# Altium PCB Video_Processing_Board.PcbDoc (part 1 of 2)
Units mm, origin at the board's own origin, x right, y up, seen from the top; angles counter-clockwise.
Board outline 40.63 x 59.74 mm, 6 copper layers (L1[SIG], L2[GND], L3[SIG], L4[PWR], L5[GND], L6[SIG]), stack 1.559 mm thick; 262 components, 193 nets, 1505 pads, 0 vias.
Unrouted connection lines stored in the file: 687.
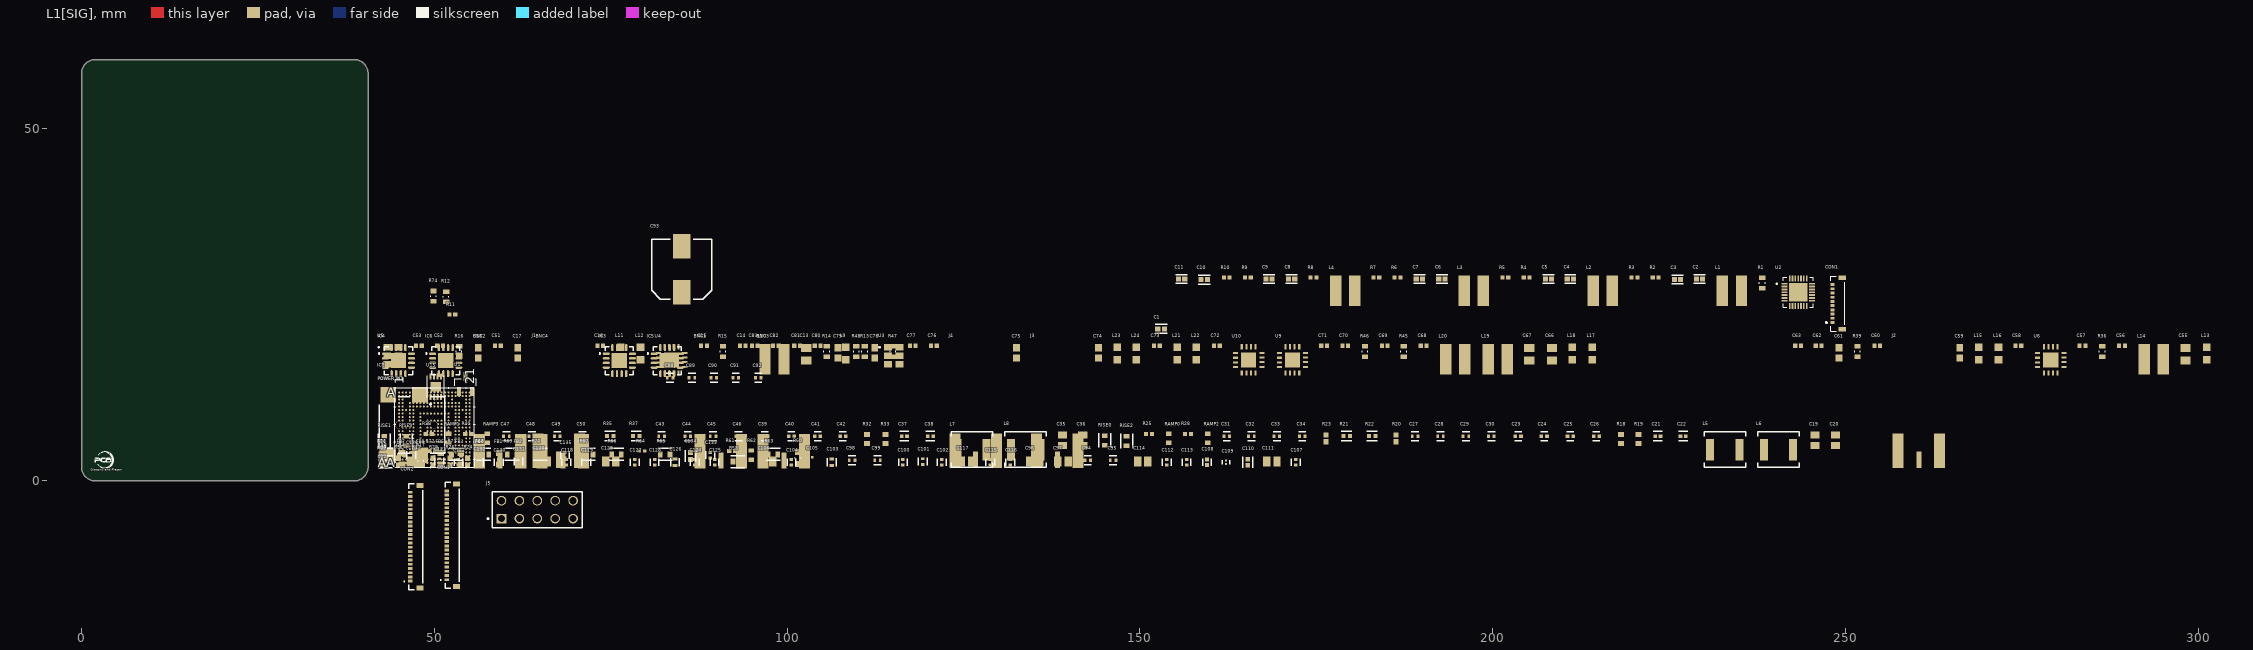
[diagram p0: L1[SIG] view]
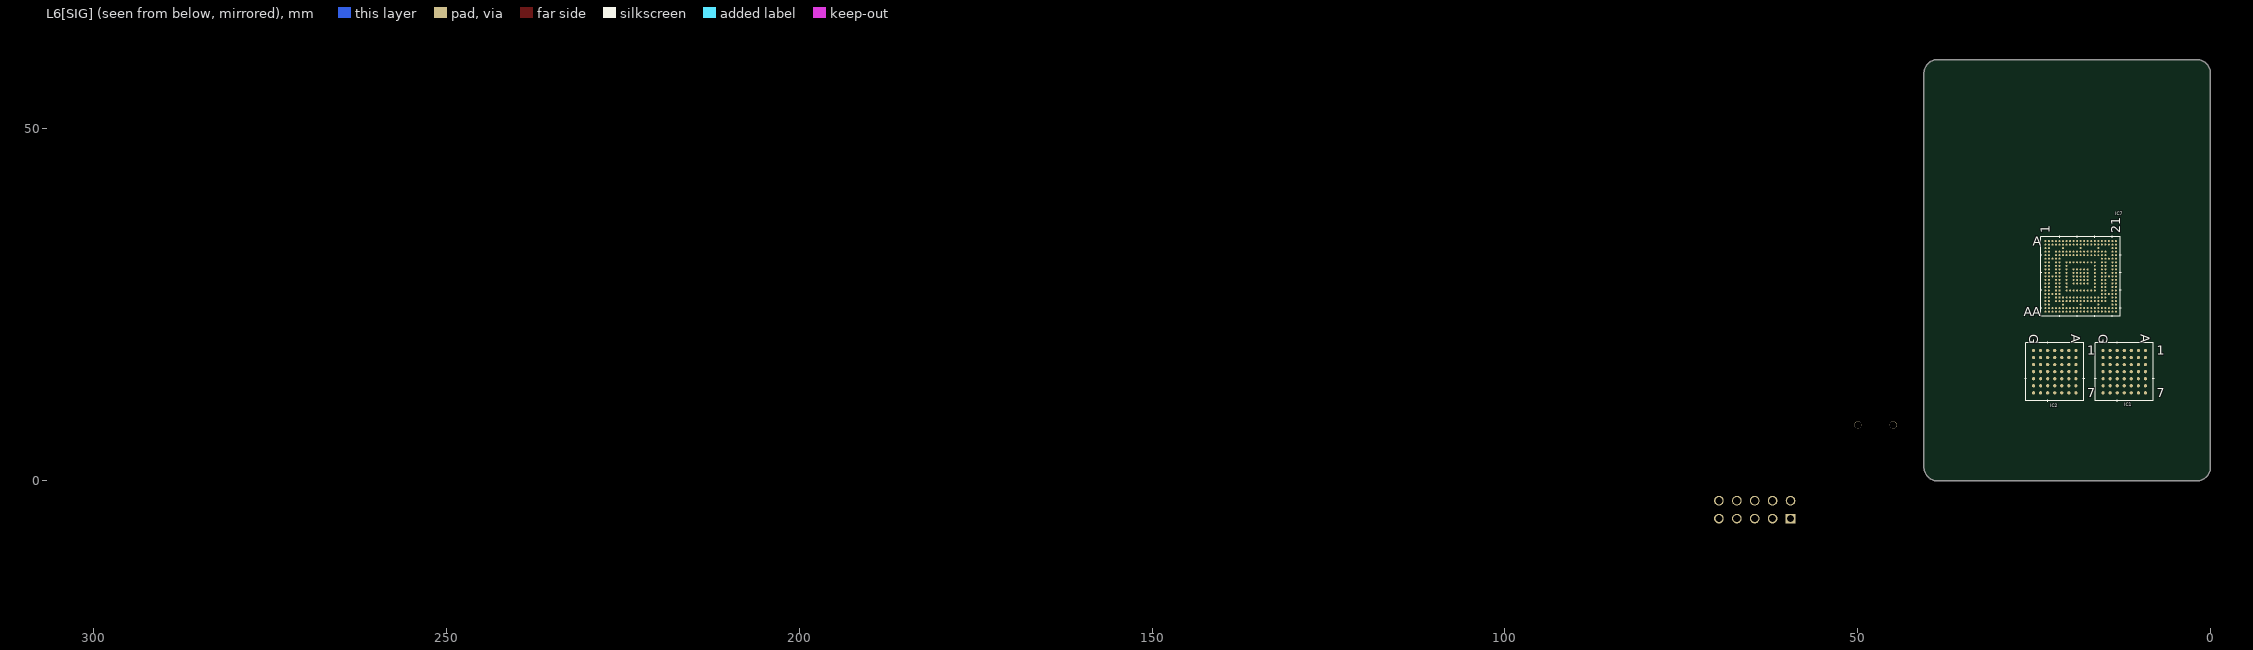
[diagram p1: L6[SIG] view, seen from below]

## Layer stack, top to bottom
Top Solder: solder mask 0.0203, Solder Resist, Dk 3.8
L1[SIG]: signal copper 0.0175
Dielectric 1: prepreg 0.1651, PP-015, Dk 4.7
L2[GND]: signal copper 0.035
Dielectric 2: core 0.3556, Core-024, Dk 4.7
L3[SIG]: signal copper 0.035
Dielectric 3: prepreg 0.3556, PP-017, Dk 4.7
L4[PWR]: signal copper 0.035
Dielectric 4: core 0.3557, Core-024, Dk 4.7
L5[GND]: signal copper 0.035
Dielectric 5: prepreg 0.1524, PP-015, Dk 4.7
L6[SIG]: signal copper 0.0175
Bottom Solder: solder mask 0.0203, Solder Resist, Dk 3.8

## Board outline
0,2 ccw(c2,2) 2,0 38.628,0 ccw(c38.628,2) 40.628,2 40.628,57.737 40.629,57.737 ccw(c38.629,57.737) 38.629,59.737 2,59.737 ccw(c2,57.737) 0,57.737

## Design rules (kind name [scope] priority, off if disabled: settings)
AssemblyTestPointUsage [All] p1 off: valid=2
AssemblyTestpoint [ispad and OnCopper and InComponent('TP*')] p1: testpointundercomponent=TRUE minsize=0.8 maxsize=2.5 preferedsize=1 minholesize=0 maxholesize=0 preferedholesize=0 testpointgrid=2.5 usegrid=FALSE gridoriginx=64 gridoriginy=115 gridtolerance=0.1 allowsidetop=TRUE minspacing=2.5
BoardOutlineClearance [All -InComponent('CON*') -InComponent('MH*')  -InPadClass('MH') -IsText and OnSilkscreen -IsArc and IsKeepOut  -InComponent('LAB4')] p1: gap=0.1 ignorepadtopadclearanceinfootprint=FALSE except(0: Arc-SplitContinuation Track-SplitContinuation SMDPad-SplitContinuation THPad-SplitContinuation Via-SplitContinuation Fill-SplitContinuation Poly-SplitContinuation Region-SplitContinuation Text-SplitContinuation)
Clearance Clearance_BGA [WithinRoom('BGA')] p1: gap=0.07 ignorepadtopadclearanceinfootprint=FALSE
Clearance "Clearance Common" [All] p2: gap=0.08 ignorepadtopadclearanceinfootprint=FALSE except(0.127: THPad-THPad THPad-Via Via-Via; 0.2: Fill-Fill Fill-Poly Fill-Region Poly-Poly Poly-Region Region-Region)
ComponentClearance [All] p1: gap=0.2 collisioncheckmode=3 verticalgap=0.5 showdistances=TRUE
DiffPairsRouting [IsDifferentialPair] p1: maxlimit=0.15 minlimit=0.15 mostfreqgap=0.15 toplayer_minwidth=0.08 toplayer_maxwidth=0.127 toplayer_prefwidth=0.127 midlayer1_minwidth=0.08 midlayer1_maxwidth=0.127 midlayer1_prefwidth=0.127 midlayer2_minwidth=0.08 midlayer2_maxwidth=0.127 midlayer2_prefwidth=0.127 midlayer3_minwidth=0.08 midlayer3_maxwidth=0.127 midlayer3_prefwidth=0.127 midlayer4_minwidth=0.08 midlayer4_maxwidth=0.127 midlayer4_prefwidth=0.127 bottomlayer_minwidth=0.08 bottomlayer_maxwidth=0.127 bottomlayer_prefwidth=0.127 maxuncoupledlength=12.7
FabricationTestPointUsage [All] p1: valid=2 allowmultiple=FALSE
FabricationTestPointUsage TestPointUsage [All] p2: valid=0 allowmultiple=FALSE
FabricationTestpoint [All] p1: side=1 testpointundercomponent=TRUE minsize=0.8 maxsize=2.5 preferedsize=1 minholesize=0 maxholesize=0 preferedholesize=0 testpointgrid=2.5 allowsidetop=TRUE usegrid=FALSE gridoriginx=64 gridoriginy=115 gridtolerance=0.1 minspacing=2.5 compbodyclearance=0.5 boardedgeclearance=0.5
FabricationTestpoint Testpoint [All] p2: side=3 testpointundercomponent=TRUE minsize=1.016 maxsize=2.54 preferedsize=1.524 minholesize=0 maxholesize=1.016 preferedholesize=0.813 testpointgrid=0.025 allowsidetop=TRUE allowsidebottom=TRUE usegrid=TRUE gridtolerance=0
Height [All] p1: minheight=0 maxheight=40 prefheight=1
HoleSize [All] p1: absolutevalues=TRUE maxlimit=15 minlimit=0.2 maxpercent=80.000 minpercent=20.000
HoleToHoleClearance HoleToHoleClearance_VIA [ISVIA vs IsVia] p1: gap=0.254 allowstackedmicrovias=TRUE
HoleToHoleClearance [All] p2: gap=0.5 allowstackedmicrovias=TRUE
MatchedLengths MatchedLengths_LVDS [InDifferentialPairClass('LVDS')] p1: tolerance=7 checknetsindiffpair=FALSE checkdiffpairvsdiffpair=TRUE checkxsignals=TRUE checkothers=TRUE
MatchedLengths MatchedLengths_LVDS_CH [InDifferentialPairClass('LVDS_CH')] p2: tolerance=2 checknetsindiffpair=FALSE checkdiffpairvsdiffpair=TRUE checkxsignals=TRUE checkothers=TRUE
MatchedLengths MatchedLengths_QSPI [InNetClass('QSPI')] p3: tolerance=5 checknetsindiffpair=FALSE checkdiffpairvsdiffpair=TRUE checkxsignals=TRUE checkothers=TRUE
MatchedLengths MatchedLengths_DRAM0 [InNetClass('DRAM0')] p4: tolerance=5 checknetsindiffpair=FALSE checkdiffpairvsdiffpair=TRUE checkxsignals=TRUE checkothers=TRUE
MatchedLengths MatchedLengths_DRAM1 [InNetClass('DRAM1')] p5: tolerance=5 checknetsindiffpair=FALSE checkdiffpairvsdiffpair=TRUE checkxsignals=TRUE checkothers=TRUE
MinimumAnnularRing [All] p1: minimumring=0.1
MinimumSolderMaskSliver [All] p1: minsoldermaskwidth=0
PlaneClearance [All] p1: clearance=0.5
PlaneConnect [OnLayer('ComponentLayers')] p1: planeconnectstyle=Direct reliefexpansion=0.508 reliefentries=4 reliefconductorwidth=0.254 reliefairgap=0.254
PolygonConnect Burried [InPadClass('Burried')] p1: connectstyle=Direct reliefconductorwidth=0.254 reliefentries=4 polygonreliefangle="90 Angle" airgapwidth=0.254
PolygonConnect PolygonConnect_SMT [IsPolygon vs IsSMTPin And IsComponentPad] p2: thpad.connectstyle=NoConnect thpad.reliefconductorwidth=0.5 thpad.reliefentries=4 thpad.polygonreliefangle="90 Angle" thpad.airgapwidth=0.25 smdpad.connectstyle=Relief smdpad.reliefconductorwidth=0.25 smdpad.reliefentries=4 smdpad.polygonreliefangle="90 Angle" smdpad.airgapwidth=0.25 via.connectstyle=Relief via.reliefconductorwidth=0.25 via.reliefentries=4 via.polygonreliefangle="90 Angle" via.airgapwidth=0.25
PolygonConnect "Vias in Planes" [IsVia] p3: connectstyle=Direct reliefconductorwidth=0.254 reliefentries=4 polygonreliefangle="90 Angle" airgapwidth=0.254
PolygonConnect "Pads in Planes" [IsPad] p4: connectstyle=Direct reliefconductorwidth=0.254 reliefentries=4 polygonreliefangle="90 Angle" airgapwidth=0.254
PolygonConnect [IsPolygon vs IsComponentPad] p5: connectstyle=Relief reliefconductorwidth=0.8 reliefentries=4 polygonreliefangle="45 Angle" airgapwidth=0.3
RoutingVias [All] p1: holewidth=0.2 width=0.45 viastyle="Through Hole" minholewidth=0.2 minwidth=0.45 maxholewidth=0.2 maxwidth=0.45
SilkToSilkClearance [All] p1 off: silktosilkclearance=0.25
SilkToSolderMaskClearance "Silkscreen to Copper" [IsPad] p1 off: minsilkscreentomaskgap=0.2 clearancetoexposedcopper=TRUE
SilkToSolderMaskClearance "Silkscreen to Soldermask" [IsPad] p2 off: minsilkscreentomaskgap=0.1 clearancetoexposedcopper=FALSE
SilkToSolderMaskClearance SilkscreenOverComponentPads [IsPad] p3: minsilkscreentomaskgap=0.254 clearancetoexposedcopper=TRUE
SolderMaskExpansion Pads [IsSMTPin or IsThruPin] p1: expansion=0.1 istentingtop=FALSE
SolderMaskExpansion Vias [IsVia] p2: expansion=0.1 istentingtop=FALSE
SolderMaskExpansion [All] p3: expansion=0.102 istentingtop=FALSE
ViasUnderSMD [InComponentClass('Power Parts') And InNet('B+') And IsStitchingVia] p1: allowed=TRUE
Width Width_BGA [WithinRoom('BGA')] p1: maxlimit=1 minlimit=0.07 preferedwidth=0.07
Width [InNetClass('All Nets')] p2: maxlimit=2 minlimit=0.07 preferedwidth=0.27
16 further rules are at their usual default settings.

## Classes and differential pairs
component class "JTAG & Reset Connection": C133 C134 C135 C136 J5 R60 R61 R62 R63 R64 R65 R66 R67 R68 R69 R70 R71 R72 R73 U1 U15
component class "Power and Decoupling Capacitors": C88 C89 C90 C91 C92 C93 C94 C95 C96 C97 C98 C99 C100 C101 C102 C103 C104 C105 C106 C107 C108 C109 C110 C111 C112 C113 C114 C115 C116 C117 C118 C119 C120 C121 C122 C123 C124 C125 C126 C127 C128 C129 C130 C131 C132 IC8 R58 R59
component class "Output Transceivers": C12 C13 C14 C15 C16 C17 C18 C51 C52 C53 C54 C55 C56 C57 C58 C59 C60 C61 C62 C63 C66 C67 C68 C69 C70 C71 C72 C73 C74 C75 C76 C77 C78 C79 C80 C81 C82 C83 J1 J2 J3 J4 L9 L10 L11 L12 L13 L14 L15 L16 L17 L18 L19 L20 L21 L22 L23 L24 "POWER IN1" R13 R14 R15 R16 R17 R34 R36 R39 R45 R46 R47 R48 U3 U4 U5 U6 U9 U10
component class "Input Transceivers": BNC1 BNC2 BNC3 BNC4 C19 C20 C21 C22 C23 C24 C25 C26 C27 C28 C29 C30 C31 C32 C33 C34 C35 C36 C37 C38 C39 C40 C41 C42 C43 C44 C45 C46 C47 C48 C49 C50 FB1 FB2 FB3 FB4 FB5 FB6 FB7 FB8 IC3 IC4 IC5 IC6 L5 L6 L7 L8 "POWER IN1" R18 R19 R20 R21 R22 R23 R24 R25 R26 R27 R28 R29 R30 R31 R32 R33 R35 R37 R38 R40 RAMP0 RAMP1 RAMP2 RAMP3 RAMP4 RISE0 RISE1 RISE2 RISE3
component class Connector: CON2 CON3
net class DRAM1: DRAM1_CK_N DRAM1_CK_P DRAM1_DQ0 DRAM1_DQ1 DRAM1_DQ2 DRAM1_DQ3 DRAM1_DQ4 DRAM1_DQ5 DRAM1_DQ6 DRAM1_DQ7 DRAM1_DQ8 DRAM1_DQ9 DRAM1_DQ10 DRAM1_DQ11 DRAM1_DQ12 DRAM1_DQ13 DRAM1_DQ14 DRAM1_DQ15 DRAM1_RWDS0 DRAM1_RWDS1
net class DRAM0: DRAM0_CK_N DRAM0_CK_P DRAM0_DQ0 DRAM0_DQ1 DRAM0_DQ2 DRAM0_DQ3 DRAM0_DQ4 DRAM0_DQ5 DRAM0_DQ6 DRAM0_DQ7 DRAM0_DQ8 DRAM0_DQ9 DRAM0_DQ10 DRAM0_DQ11 DRAM0_DQ12 DRAM0_DQ13 DRAM0_DQ14 DRAM0_DQ15 DRAM0_RWDS0 DRAM0_RWDS1
component class DRAM+BANK1: IC1 IC2 IC7 R12 R74
component class PMIC: C1 C2 C3 C4 C5 C6 C7 C8 C9 C10 C11 CON1 L1 L2 L3 L4 R1 R2 R3 R4 R5 R6 R7 R8 R9 R10 R11 U2
differential pair DRAM1_CK: +DRAM1_CK_P -DRAM1_CK_N
differential pair DRAM0_CK: +DRAM0_CK_P -DRAM0_CK_N

## Components (designator, comment, footprint, x,y, rotation, side; value= is the part's Value field where it differs from the comment)
BNC1 "Amphenol_BNC_HD_034_1018" "PCBComponent_1 - duplicate" 90.627,3.552 r0 top
BNC2 "Amphenol_BNC_HD_034_1018" "PCBComponent_1 - duplicate" 59.327,3.552 r0 top
BNC3 "Amphenol_BNC_HD_034_1018" "PCBComponent_1 - duplicate" 99.527,3.552 r0 top
BNC4 "Amphenol_BNC_HD_034_1018" "PCBComponent_1 - duplicate" 68.227,3.552 r0 top
C1 "EMK105BJ105KV-F" FP-0402-L_1_0_0_05-W_0_5-IPC_A#1 153.027,21.552 r0 top
C2 "GRM155R60J106ME44D" FP-GRM155-0_2-IPC_B 229.327,28.652 r0 top
C3 "GRM155R60J106ME44D" FP-GRM155-0_2-IPC_B 226.227,28.552 r0 top
C4 "GRM155R60J106ME44D" FP-GRM155-0_2-IPC_B 211.027,28.652 r0 top
C5 "GRM155R60J106ME44D" FP-GRM155-0_2-IPC_B 207.927,28.652 r0 top
C6 "GRM155R60J106ME44D" FP-GRM155-0_2-IPC_B 192.827,28.652 r0 top
C7 "GRM155R60J106ME44D" FP-GRM155-0_2-IPC_B 189.627,28.652 r0 top
C8 "GRM155R60J106ME44D" FP-GRM155-0_2-IPC_B 171.527,28.652 r0 top
C9 "GRM155R60J106ME44D" FP-GRM155-0_2-IPC_B 168.327,28.652 r0 top
C10 "EMK105BJ105KV-F" FP-0402-L_1_0_0_05-W_0_5-IPC_A#1 159.127,28.552 r0 top
C11 "GRM155R60J106ME44D" FP-GRM155-0_2-IPC_B 155.927,28.652 r0 top
C12 "10nF" 0402 42.827,2.052 r0 top
C13 "1uF" 0805 102.727,17.952 r90 top
C14 "10nF" 0402 93.727,19.152 r0 top
C15 "10nF" 0402 88.227,19.152 r0 top
C16 "10nF" 0402 73.527,19.152 r0 top
C17 "33nF" 0603 61.827,18.152 r90 top
C18 "33nF" 0603 56.227,18.152 r90 top
C19 "1u" CAPC2013X135X45LL10T25 245.726,5.752 r90 top
C20 "1u" CAPC2013X135X45LL10T25 248.626,5.752 r90 top
C21 "10nF" FP-CL165-IPC_C 223.426,6.352 r0 top
C22 "10nF" FP-CL165-IPC_C 227.026,6.352 r0 top
C23 "100nF" FP-C0402-BB-MFG 203.627,6.352 r0 top value="0.10 μF"
C24 "100nF" FP-C0402-BB-MFG 207.327,6.352 r0 top value="0.10 μF"
C25 "100nF" FP-C0402-BB-MFG 211.026,6.352 r0 top value="0.10 μF"
C26 "100nF" FP-C0402-BB-MFG 214.726,6.352 r0 top value="0.10 μF"
C27 "100nF" FP-GRM15-MFG 189.027,6.352 r0 top value=0.10μF
C28 "100nF" FP-GRM15-MFG 192.627,6.352 r0 top value=0.10μF
C29 "100nF" FP-GRM15-MFG 196.227,6.352 r0 top value=0.10μF
C30 "100nF" FP-GRM15-MFG 199.827,6.352 r0 top value=0.10μF
C31 "100nF" FP-GRM15-MFG 162.327,6.352 r0 top value=0.10μF
C32 "100nF" FP-GRM15-MFG 165.827,6.352 r0 top value=0.10μF
C33 "100nF" FP-GRM15-MFG 169.427,6.352 r0 top value=0.10μF
C34 "100nF" FP-GRM15-MFG 173.027,6.352 r0 top value=0.10μF
C35 "1u" CAPC2013X135X45LL10T25 139.027,5.752 r90 top
C36 "1u" CAPC2013X135X45LL10T25 141.927,5.752 r90 top
C37 "10nF" FP-CL165-IPC_C 116.627,6.352 r0 top
C38 "10nF" FP-CL165-IPC_C 120.327,6.352 r0 top
C39 "100nF" FP-C0402-BB-MFG 96.827,6.352 r0 top value="0.10 μF"
C40 "100nF" FP-C0402-BB-MFG 100.627,6.352 r0 top value="0.10 μF"
C41 "100nF" FP-C0402-BB-MFG 104.327,6.352 r0 top value="0.10 μF"
C42 "100nF" FP-C0402-BB-MFG 107.927,6.352 r0 top value="0.10 μF"
C43 "100nF" FP-GRM15-MFG 82.227,6.352 r0 top value=0.10μF
C44 "100nF" FP-GRM15-MFG 85.927,6.352 r0 top value=0.10μF
C45 "100nF" FP-GRM15-MFG 89.527,6.352 r0 top value=0.10μF
C46 "100nF" FP-GRM15-MFG 93.127,6.352 r0 top value=0.10μF
C47 "100nF" FP-GRM15-MFG 60.227,6.352 r0 top value=0.10μF
C48 "100nF" FP-GRM15-MFG 63.827,6.352 r0 top value=0.10μF
C49 "100nF" FP-GRM15-MFG 67.427,6.352 r0 top value=0.10μF
C50 "100nF" FP-GRM15-MFG 71.027,6.352 r0 top value=0.10μF
C51 "100nF" 0402 59.027,19.152 r0 top
C52 "100nF" 0402 50.827,19.152 r0 top
C53 "10nF" 0402 47.827,19.152 r0 top
C54 "10nF" 0402 45.427,3.652 r0 top
C55 "1uF" 0805 298.226,17.952 r90 top
C56 "10nF" 0402 289.226,19.152 r0 top
C57 "10nF" 0402 283.626,19.152 r0 top
C58 "10nF" 0402 274.526,19.152 r0 top
C59 "33nF" 0603 266.226,18.152 r90 top
C60 "100nF" 0402 254.526,19.152 r0 top
C61 "33nF" 0603 249.126,18.152 r90 top
C62 "100nF" 0402 246.226,19.152 r0 top
C63 "10nF" 0402 243.326,19.152 r0 top
C66 "1uF" 0805 208.427,17.952 r90 top
C67 "1uF" 0805 205.227,17.952 r90 top
C68 "10nF" 0402 190.227,19.152 r0 top
C69 "10nF" 0402 184.727,19.152 r0 top
C70 "10nF" 0402 179.127,19.152 r0 top
C71 "10nF" 0402 176.127,19.152 r0 top
C72 "10nF" 0402 160.927,19.152 r0 top
C73 "10nF" 0402 152.427,19.152 r0 top
C74 "33nF" 0603 144.127,18.152 r90 top
C75 "33nF" 0603 132.527,18.152 r90 top
C76 "100nF" 0402 120.827,19.152 r0 top
C77 "100nF" 0402 117.827,19.152 r0 top
C78 "33nF" 0603 112.427,18.152 r90 top
C79 "33nF" 0603 107.227,18.152 r90 top
C80 "100nF" 0402 104.327,19.152 r0 top
C81 "100nF" 0402 101.427,19.152 r0 top
C82 "10nF" 0402 98.427,19.152 r0 top
C83 "10nF" 0402 95.427,19.152 r0 top
C88 "0.1uF/16V" FP-GRM15-MFG 83.427,14.652 r0 top value=0.10μF
C89 "0.1uF/16V" FP-GRM15-MFG 86.527,14.652 r0 top value=0.10μF
C90 "0.1uF/16V" FP-GRM15-MFG 89.627,14.652 r0 top value=0.10μF
C91 "0.1uF/16V" FP-GRM15-MFG 92.727,14.652 r0 top value=0.10μF
C92 "0.1uF/16V" FP-GRM15-MFG 95.927,14.652 r0 top value=0.10μF
C93 "330uF/10V" NIC-CAPA2-8X10_V 85.065,30 r90 top
C94 "0.1uF/16V" FP-GRM15-MFG 142.627,2.952 r0 top value=0.10μF
C95 "0.1uF/16V" FP-GRM15-MFG 146.227,2.952 r0 top value=0.10μF
C96 "47uF/10V" CAPC2014X135X70LL20 135.127,2.752 r0 top
C97 "47uF/10V" CAPC2014X135X70LL20 139.127,2.752 r0 top
C98 "0.1uF/16V" FP-GRM15-MFG 109.227,2.952 r0 top value=0.10μF
C99 "0.1uF/16V" FP-GRM15-MFG 112.827,2.952 r0 top value=0.10μF
C100 "0.1uF/16V" FP-GRM15-MFG 116.427,2.652 r90 top value=0.10μF
C101 "0.1uF/16V" FP-GRM15-MFG 119.227,2.752 r90 top value=0.10μF
C102 "0.1uF/16V" FP-GRM15-MFG 121.927,2.652 r90 top value=0.10μF
C103 "10uF/10V" FP-CL05A106MP5NUNC-MFG 106.327,2.652 r90 top value=10uF
C104 "0.1uF/16V" FP-GRM15-MFG 100.627,2.652 r90 top value=0.10μF
C105 "1000pF/16V" CAPC0603X33X15LL03T05 103.327,3.352 r0 top
C106 "47uF/10V" CAPC2014X135X70LL20 97.227,2.752 r0 top
C107 "0.1uF/16V" FP-GRM15-MFG 172.127,2.652 r90 top value=0.10μF
C108 "2200pF/10V" FP-C0402-BB-MFG 159.527,2.652 r90 top value="2,200 pF"
C109 "4.7nF/16V" FP-CC0201-BA-MFG 162.227,2.652 r90 top value="4.7 nF"
C110 "10nF" FP-0402-L_1_0_1-W_0_5_0_1-IPC_B 165.327,2.652 r90 top
C111 "47uF/10V" CAPC2014X135X70LL20 168.727,2.752 r0 top
C112 "0.1uF/16V" FP-GRM15-MFG 153.827,2.652 r90 top value=0.10μF
C113 "0.1uF/16V" FP-GRM15-MFG 156.627,2.652 r90 top value=0.10μF
C114 "47uF/10V" CAPC2014X135X70LL20 150.427,2.752 r0 top
C115 "0.1uF/16V" FP-GRM15-MFG 128.827,2.652 r90 top value=0.10μF
C116 "0.1uF/16V" FP-GRM15-MFG 131.627,2.652 r90 top value=0.10μF
C117 "47uF/10V" CAPC2014X135X70LL20 125.427,2.752 r0 top
C118 "0.1uF/16V" FP-GRM15-MFG 68.727,2.652 r90 top value=0.10μF
C119 "0.1uF/16V" FP-GRM15-MFG 71.527,2.652 r90 top value=0.10μF
C120 "47uF/10V" CAPC2014X135X70LL20 65.327,2.752 r0 top
C121 "0.1uF/16V" FP-GRM15-MFG 50.727,2.752 r90 top value=0.10μF
C122 "0.1uF/16V" FP-GRM15-MFG 53.427,2.652 r90 top value=0.10μF
C123 "47uF/10V" CAPC2014X135X70LL20 47.327,2.752 r0 top
C124 "0.1uF/16V" FP-GRM15-MFG 86.927,2.652 r90 top value=0.10μF
C125 "0.1uF/16V" FP-GRM15-MFG 89.727,2.652 r90 top value=0.10μF
C126 "10uF/10V" FP-CL05A106MP5NUNC-MFG 84.127,2.652 r90 top value=10uF
C127 "0.1uF/16V" FP-GRM15-MFG 78.427,2.652 r90 top value=0.10μF
C128 "0.1uF/16V" FP-GRM15-MFG 81.227,2.652 r90 top value=0.10μF
C129 "47uF/10V" CAPC2014X135X70LL20 75.027,2.752 r0 top
C130 "0.1uF/16V" FP-GRM15-MFG 59.127,2.652 r90 top value=0.10μF
C131 "0.1uF/16V" FP-GRM15-MFG 61.927,2.752 r90 top value=0.10μF
C132 "10uF/10V" FP-CL05A106MP5NUNC-MFG 56.327,2.652 r90 top value=10uF
C133 "0.1uF/16V" FP-GRM15-MFG 89.127,3.652 r90 top value=0.10μF
C134 "1uF/16V" FP-0402-L_1_0_0_05-W_0_5-IPC_A#2 86.327,3.552 r90 top
C135 "0.1uF/16V" FP-GRM15-MFG 68.527,3.652 r90 top value=0.10μF
C136 "0.1uF/16V" FP-GRM15-MFG 46.727,3.652 r90 top value=0.10μF
CON1 "SM10B-XSRS-ETB(LF)(SN)" SM10B-XSRS-ETB 248.927,25.152 r90 top
CON2 "SM22B-XSRS-ETB" SM22B-XSRS-ETB 47.35,-7.9 r90 top
CON3 "SM22B-XSRS-ETB" SM22B-XSRS-ETB 52.527,-7.7 r90 top
FB1 "FBMH1608HM102-T" FBMH1608HM102-T 59.227,3.152 r90 top
FB2 "FBMH1608HM102-T" FBMH1608HM102-T 62.027,3.152 r90 top
FB3 "FBMH1608HM102-T" FBMH1608HM102-T 53.727,3.152 r90 top
FB4 "FBMH1608HM102-T" FBMH1608HM102-T 56.527,3.152 r90 top
FB5 "FBMH1608HM102-T" FBMH1608HM102-T 50.927,3.152 r90 top
FB6 "FBMH1608HM102-T" FBMH1608HM102-T 42.727,3.152 r90 top
FB7 "FBMH1608HM102-T" FBMH1608HM102-T 45.427,3.152 r90 top
FB8 "FBMH1608HM102-T" FBMH1608HM102-T 48.227,3.152 r90 top
IC1 "S80KS2564" S80KS2564 12.221,15.492 r270 bottom
IC2 "S80KS2564" S80KS2564 22.079,15.492 r270 bottom
IC3 "EQCO125X40" EQCO125X40 76.227,17.052 r0 top
IC4 "EQCO125X40" EQCO125X40 44.927,17.052 r0 top
IC5 "EQCO125X40" EQCO125X40 83.027,17.052 r0 top
IC6 "EQCO125X40" EQCO125X40 51.627,17.052 r0 top
IC7 "MPF100T-1FCSG325I" MPF100T-1FCSG325I 18.4,29 r180 bottom
IC8 "MPF100T-1FCSG325I" MPF100T-1FCSG325I 50.027,7.552 r0 top
J1 "" "PCBComponent_1 - duplicate" 67.627,3.652 r0 top
J2 "" "PCBComponent_1 - duplicate" 260.426,3.652 r0 top
J3 "" "PCBComponent_1 - duplicate" 138.327,3.652 r0 top
J4 "" "PCBComponent_1 - duplicate" 126.727,3.652 r0 top
J5 "TSW-105-08-G-D" TSW-105-08-G-D 59.522,-5.34 r0 top
L1 "744031001" WE-TPC-3816-S 233.927,26.952 r0 top
L2 "744031001" WE-TPC-3816-S 215.627,26.952 r0 top
L3 "744031001" WE-TPC-3816-S 197.327,26.952 r0 top
L4 "744031001" WE-TPC-3816-S 179.127,26.952 r0 top
L5 "10uH" FP-1812PS-MFG 232.926,4.452 r0 top
L6 "10uH" FP-1812PS-MFG 240.526,4.452 r0 top
L7 "10uH" FP-1812PS-MFG 126.227,4.452 r0 top
L8 "10uH" FP-1812PS-MFG 133.827,4.452 r0 top
L9 "742792651" SMD-0603 108.327,18.052 r90 top
L10 "744031001" WE-TPC-3816-S 98.227,17.252 r0 top
L11 "742792662" SMD-0603 76.427,18.052 r90 top
L12 "742792662" SMD-0603 79.227,18.052 r90 top
L13 "742792651" SMD-0603 301.226,18.052 r90 top
L14 "744031001" WE-TPC-3816-S 293.726,17.252 r0 top
L15 "742792662" SMD-0603 268.926,18.052 r90 top
L16 "742792662" SMD-0603 271.726,18.052 r90 top
L17 "742792651" SMD-0603 214.126,18.052 r90 top
L18 "742792651" SMD-0603 211.326,18.052 r90 top
L19 "744031001" WE-TPC-3816-S 200.727,17.252 r0 top
L20 "744031001" WE-TPC-3816-S 194.727,17.252 r0 top
L21 "742792662" SMD-0603 155.327,18.052 r90 top
L22 "742792662" SMD-0603 158.027,18.052 r90 top
L23 "742792662" SMD-0603 146.827,18.052 r90 top
L24 "742792662" SMD-0603 149.527,18.052 r90 top
"POWER IN1" "694102107102" 694102107102 46.827,7.952 r90 top
"POWER IN1" "24V IN" 694102107102 46.827,7.952 r90 top
R1 "ERA3AEB104V" RESC1608X55X30ML20T20 238.227,28.052 r90 top value=100k
R2 "RC0402FR-0735K7L" RESC1005X40X25NL05T10#1 223.127,28.852 r0 top
R3 "RC0402FR-0711K5L" RESC1005X40X25NL05T10#1 220.127,28.852 r0 top
R4 "RC0402FR-074K99L" RESC1005X40X25NL05T10#1 204.827,28.852 r0 top
R5 "RC0402FR-0720KL" RESC1005X40X25NL05T10#1 201.827,28.852 r0 top
R6 "RC0402FR-0710KL" RESC1005X40X25NL05T10#1 186.527,28.852 r0 top
R7 "RC0402FR-0720KL" RESC1005X40X25NL05T10#1 183.527,28.852 r0 top
R8 "RN73H1ETTP1452F25" RESC1005X40N 174.627,28.852 r0 top
R9 "RC0402FR-0711K5L" RESC1005X40X25NL05T10#1 165.327,28.852 r0 top
R10 "RC0402FR-0724K3L" RESC1005X40X25NL05T10#1 162.327,28.852 r0 top
R11 "RC0402FR-0711K5L" RESC1005X40X25NL05T10#1 52.57,23.6 r0 top
R12 "100 Ohm" RESC1608X55X30LL15T15#1 51.677,26.1 r270 top
R13 "100 Ohm" 3-0603 111.027,18.352 r90 top
R14 "100 Ohm" 3-0603 105.627,18.352 r90 top
R15 "1K" 3-0603 90.927,18.352 r90 top
R16 "75 Ohm" 3-0603 53.527,18.352 r90 top
R17 "100 Ohm" 3-0603 48.127,2.852 r90 top
R18 "1K" RESC1608X55X30LL15T15#2 218.226,5.952 r90 top
R19 "1K" RESC1608X55X30LL15T15#2 220.726,5.952 r90 top
R20 "15R" RESC1005X40X25ML10T10 186.327,6.052 r90 top
R21 "75R" FP-ERJ2RK-IPC_B 179.327,6.352 r0 top
R22 "75R" FP-ERJ2RK-IPC_B 182.927,6.352 r0 top
R23 "15R" RESC1005X40X25ML10T10 176.427,6.052 r90 top
R24 "15R" RESC1005X40X25ML10T10 54.727,2.752 r90 top
R25 "0R" RESC1005X40X25NL05T10#2 151.327,6.652 r0 top
R26 "15R" RESC1005X40X25ML10T10 52.227,2.752 r90 top
R27 "15R" RESC1005X40X25ML10T10 47.427,2.752 r90 top
R28 "0R" RESC1005X40X25NL05T10#2 156.827,6.652 r0 top
R29 "15R" RESC1005X40X25ML10T10 49.827,2.752 r90 top
R30 "15R" RESC1005X40X25ML10T10 42.527,2.752 r90 top
R31 "15R" RESC1005X40X25ML10T10 44.927,2.752 r90 top
R32 "1K" RESC1608X55X30LL15T15#2 111.327,5.952 r90 top
R33 "1K" RESC1608X55X30LL15T15#2 113.927,5.952 r90 top
R34 "100 Ohm" 3-0603 42.627,2.852 r90 top
R35 "75R" FP-ERJ2RK-IPC_B 74.927,6.352 r0 top
R36 "1K" 3-0603 286.426,18.352 r90 top
R37 "75R" FP-ERJ2RK-IPC_B 78.627,6.352 r0 top
R38 "0R" RESC1005X40X25NL05T10#2 49.227,6.652 r0 top
R39 "75 Ohm" 3-0603 251.726,18.352 r90 top
R40 "0R" RESC1005X40X25NL05T10#2 54.827,6.652 r0 top
R45 "1K" 3-0603 187.427,18.352 r90 top
R46 "1K" 3-0603 181.927,18.352 r90 top
R47 "75 Ohm" 3-0603 115.027,18.352 r90 top
R48 "75 Ohm" 3-0603 109.827,18.352 r90 top
R58 "10K/1%" FP-RC0603-0_55-IPC_C 93.027,2.752 r0 top
R59 "10K/1%" FP-RC0603-0_55-IPC_C 43.127,2.752 r0 top
R60 "100K" FP-RC0603-0_55-MFG 101.527,3.252 r90 top
R61 "0R" RESC1005X40X25NL05T10#2 92.227,4.252 r0 top
R62 "4.7K" RESC1608X55X25LL10T15 94.927,3.652 r90 top
R63 "1K" FP-RC0603-0_55-IPC_C 98.027,3.752 r0 top
R64 "22R" RESC1005X40X25LL05T10 79.427,4.252 r0 top
R65 "10K" FP-RC0603-0_55-IPC_C 82.727,3.752 r0 top
R66 "10K" FP-RC0603-0_55-IPC_C 75.827,3.752 r0 top
R67 "1K" FP-RC0603-0_55-IPC_C 71.827,3.752 r0 top
R68 "10K" FP-RC0603-0_55-IPC_C 57.027,3.752 r0 top
R69 "10K" FP-RC0603-0_55-IPC_C 61.027,3.752 r0 top
R70 "10K" FP-RC0603-0_55-IPC_C 65.027,3.752 r0 top
R71 "1K" FP-RC0603-0_55-IPC_C 53.127,3.752 r0 top
R72 "0R" RESC1005X40X25NL05T10#2 49.727,4.252 r0 top
R73 "1K" FP-RC0603-0_55-IPC_C 43.127,3.752 r0 top
R74 "100 Ohm" RESC1608X55X30LL15T15#1 49.897,26.198 r270 top
RAMP0 "1K2" RESC1608X55X25LL10T15 154.127,6.052 r90 top
RAMP1 "1K2" RESC1608X55X25LL10T15 52.027,6.052 r90 top
RAMP2 "1K2" RESC1608X55X25LL10T15 159.627,6.052 r90 top
RAMP3 "1K2" RESC1608X55X25LL10T15 57.527,6.052 r90 top
RISE0 "10K" FP-RC0603-0_55-IPC_C 145.027,5.752 r90 top
RISE1 "10K" FP-RC0603-0_55-IPC_C 42.927,5.652 r90 top
RISE2 "10K" FP-RC0603-0_55-IPC_C 148.127,5.652 r90 top
RISE3 "10K" FP-RC0603-0_55-IPC_C 46.027,5.652 r90 top
U1 "MCP121T-315E/TT" MCP121T-315E/TT 54.427,13.752 r0 top
U2 "ADP5138ACPZ" CP_28_5 243.327,26.752 r0 top
U3 "AK3ADDF1-212.500T3" AX3DAF1-148.5000T 115.127,17.752 r0 top
U4 "EQCO62T20" PCBComponent_1_2 83.627,17.152 r0 top
U5 "AK3ADDF1-212.500T3" AX3DAF1-148.5000T 44.127,17.752 r0 top
U6 "EQCO62T20" PCBComponent_1_2 279.126,17.152 r0 top
U9 "EQCO62T20" PCBComponent_1_2 171.627,17.152 r0 top
U10 "EQCO62T20" PCBComponent_1_2 165.427,17.152 r0 top
U15 "SST25PF040CT-40I/NP" SST25PF040CT-40I/NP 50.227,13.352 r90 top

## Footprints (in the part's own frame and the unit in brackets; to place one, negate y for a bottom-side part, rotate by r counter-clockwise, add the part's x,y. Pads: shape width x height; smd on the part's side, far side on the other; paste and mask are expansions set on the pad)
3-0603 [mm] "Chip Resistor; Body 1.6 x 0.9 mm (LxW typ)"
  rrect1% 0.65x0.9 smd: 1(-0.725,0) 2(0.725,0)
  silkscreen extent -0.08,-0.4 0.08,0.4, body extent -0.8,-0.4 0.8,0.4, height 0.45
0402 [mm] "Chip Capacitor; Body 1.0 x 0.5 mm (LxW typ)"
  rrect1% 0.59x0.6 smd mask+0.05: 1(-0.407,0) 2(0.407,0)
  body extent -0.5,-0.28 0.5,0.27, height 0.5
0603 [mm] "Chip Capacitor; Body 1.6 x 0.8 mm (LxW typ)"
  rrect1% 1.04x0.97 smd: 1(-0.726,0) 2(0.726,0)
  body extent -0.8,-0.44 0.8,0.44, height 0.8
0805 [mm] "Chip Capacitor; Body 2.0 x 1.2 mm (LxW typ)"
  rrect1% 1.16x1.47 smd: 1(-0.875,0) 2(0.875,0)
  body extent -1.02,-0.7 1.02,0.7, height 1.29
694102107102 [mm] "DC Power Jack Right Angled Low Profile SMT ?3.9 with 4 soldering pads & pegs"
  rect 2.2x2.2 smd: 1(-4.3,-1.15) 1(-4.3,3.35) 2(4.3,-1.15) 3(4.3,3.35)
  round 1 hole 1 unplated: MH1(0,1.85) MH2(0,-3.15)
  silkscreen extent -4,-4.65 4,4.65, body extent -4.9,-4.65 4.9,4.65, height 5.32
AX3DAF1-148.5000T [mm]
  rrect1% 1.1x0.9 smd: 1(-0.8,1.2) 2(-0.8,0) 3(-0.8,-1.2) 4(0.8,-1.2) 5(0.8,0) 6(0.8,1.2)
  silkscreen extent -2.1,1.1 -1.9,1.3, body extent -1.25,-1.6 1.25,1.6, height 1
CAPC0603X33X15LL03T05 [mm] "Chip Capacitor, 2-Leads, Body 0.60x0.30mm, IPC High Density"
  rect 0.36x0.32 smd: 1(-0.28,0) 2(0.28,0)
  body extent -0.32,-0.17 0.32,0.17, height 0.33
CAPC2013X135X45LL10T25 [mm] "Chip Capacitor, 2-Leads, Body 2.00x1.25mm, IPC High Density"
  rect 1x1.3 smd: 1(-0.75,0) 2(0.75,0)
  body extent -1.05,-0.67 1.05,0.68, height 1.35
CAPC2014X135X70LL20 [mm] "Chip Capacitor, 2-Leads, Body 2.00x1.35mm, IPC High Density"
  rect 1.05x1.45 smd: 1(-0.725,0) 2(0.725,0)
  body extent -1.1,-0.77 1.1,0.77, height 1.35
CP_28_5 [mm]
  rrect1% 0.855x0.25 smd mask+0.05: 1(-1.927,1.2) 2(-1.927,0.8) 3(-1.927,0.4) 4(-1.927,0) 5(-1.927,-0.4) 6(-1.927,-0.8) 7(-1.927,-1.2) 15(1.927,-1.2) 16(1.927,-0.8) 17(1.927,-0.4) 18(1.927,0) 19(1.927,0.4) 20(1.927,0.8) 21(1.927,1.2)
  rrect1% 0.25x0.855 smd mask+0.05: 8(-1.2,-1.927) 9(-0.8,-1.927) 10(-0.4,-1.927) 11(0,-1.927) 12(0.4,-1.927) 13(0.8,-1.927) 14(1.2,-1.927) 22(1.2,1.927) 23(0.8,1.927) 24(0.4,1.927) 25(0,1.927) 26(-0.4,1.927) 27(-0.8,1.927) 28(-1.2,1.927)
  rrect1% 2.6x2.6 smd paste-1.287 mask+0.05: 29(0,0)
  silkscreen extent -3.13,-2.13 2.13,2.13, body extent -2.05,-2.05 2.05,2.05, height 0.8
EQCO125X40 [mm]
  oval 1x0.35 smd: 1(-1.85,0.975) 2(-1.85,0.325) 3(-1.85,-0.325) 4(-1.85,-0.975) 9(1.85,-0.975) 10(1.85,-0.325) 11(1.85,0.325) 12(1.85,0.975)
  oval 0.35x1 smd: 5(-0.975,-1.85) 6(-0.325,-1.85) 7(0.325,-1.85) 8(0.975,-1.85) 13(0.975,1.85) 14(0.325,1.85) 15(-0.325,1.85) 16(-0.975,1.85)
  rect 2.15x2.15 smd paste-2: 17(0,0)
  silkscreen extent -2.85,-2 2,2
FBMH1608HM102-T [mm]
  rect 0.84x0.93 smd: 1(-0.795,0) 2(0.795,0)
  body extent -0.8,-0.45 0.8,0.45, height 0.8
FP-0402-L_1_0_0_05-W_0_5-IPC_A#1 [mm]
  rrect1% 0.715x0.672 smd paste+0: 1(-0.479,0) 2(0.479,0)
  silkscreen extent -0.84,-0.64 0.84,0.64, body extent -0.5,-0.25 0.5,0.25, height 0.55
FP-0402-L_1_0_0_05-W_0_5-IPC_A#2 [mm]
  rect 0.715x0.672 smd paste+0 mask+0: 1(-0.479,0) 2(0.479,0)
  silkscreen extent -0.84,-0.74 0.84,0.74, body extent -1.04,-0.54 1.04,0.54, height 0.25
FP-0402-L_1_0_1-W_0_5_0_1-IPC_B [mm]
  rect 0.681x0.612 smd paste+0 mask+0: 1(-0.416,0) 2(0.416,0)
  silkscreen extent -0.76,-0.71 0.76,0.71, body extent -0.91,-0.46 0.91,0.46, height 0.25
FP-1812PS-MFG [mm]
  rect 1.14x3.05 smd paste+0 mask+0: 1(-2.07,0) 2(2.07,0)
  silkscreen extent -2.94,-2.49 2.94,2.49, body extent -3.04,-2.59 3.04,2.59, height 0.25
FP-C0402-BB-MFG [mm]
  rect 0.52x0.52 smd paste+0 mask+0: 1(-0.4,0) 2(0.4,0)
  silkscreen extent -0.5,-0.64 0.5,0.64, body extent -0.8,-0.4 0.8,0.4, height 0.25
FP-CC0201-BA-MFG [mm]
  rect 0.28x0.3 smd paste+0 mask+0: 1(-0.265,0) 2(0.265,0)
  silkscreen extent -0.32,-0.53 0.32,0.53, body extent -0.51,-0.27 0.51,0.27, height 0.25
FP-CL05A106MP5NUNC-MFG [mm]
  rect 0.45x0.675 smd paste+0 mask+0: 1(-0.463,0) 2(0.463,0)
  silkscreen extent -0.6,-0.63 0.6,0.63, body extent -0.79,-0.45 0.79,0.45, height 0.25
FP-CL165-IPC_C [mm]
  rect 0.515x0.472 smd paste+0 mask+0: 1(-0.379,0) 2(0.379,0)
  silkscreen extent -0.64,-0.67 0.64,0.67, body extent -0.74,-0.38 0.74,0.38, height 0.25
FP-ERJ2RK-IPC_B [mm]
  rect 0.568x0.572 smd paste+0 mask+0: 1(-0.452,0) 2(0.452,0)
  silkscreen extent -0.74,-0.69 0.74,0.69, body extent -0.89,-0.44 0.89,0.44, height 0.25
FP-GRM15-MFG [mm]
  rect 0.4x0.5 smd paste+0 mask+0: 1(-0.4,0) 2(0.4,0)
  silkscreen extent -0.53,-0.63 0.53,0.63, body extent -0.7,-0.38 0.7,0.38, height 0.25
FP-GRM155-0_2-IPC_B [mm]
  rrect1% 0.728x0.706 smd paste+0 mask+0.05: 1(-0.439,0) 2(0.439,0)
  silkscreen extent -0.8,-0.6 0.8,0.6, body extent -0.5,-0.25 0.5,0.25, height 0.7
FP-RC0603-0_55-IPC_C [mm]
  rect 0.659x0.812 smd paste+0 mask+0: 1(-0.677,0) 2(0.677,0)
  silkscreen extent -1.01,-0.85 1.01,0.85, body extent -1.11,-0.55 1.11,0.55, height 0.25
FP-RC0603-0_55-MFG [mm]
  rect 0.9x0.8 smd paste+0 mask+0: 1(-0.85,0) 2(0.85,0)
  silkscreen extent -0.03,-0.45 0.03,0.45, body extent -1.4,-0.55 1.4,0.55, height 0.25
MCP121T-315E/TT [mil]
  rect 22x50 smd: 1(-37,-41) 2(37,-41) 3(0,41)
  silkscreen extent -60,-10 60,28, body extent -57,-47 57,47, height 44
MPF100T-1FCSG325I [mm]
  round 0.284 smd paste+0 mask+0: A1(-5,5) A2(-4.5,5) A3(-4,5) A4(-3.5,5) A5(-3,5) A6(-2.5,5) A7(-2,5) A8(-1.5,5) A9(-1,5) A10(-0.5,5) A11(0,5) A12(0.5,5) A13(1,5) A14(1.5,5) A15(2,5) A16(2.5,5) A17(3,5) A18(3.5,5) A19(4,5) A20(4.5,5) A21(5,5) AA1(-5,-5) AA2(-4.5,-5) AA3(-4,-5) AA4(-3.5,-5) AA5(-3,-5) AA6(-2.5,-5) AA7(-2,-5) AA8(-1.5,-5) AA9(-1,-5) AA10(-0.5,-5) AA11(0,-5) AA12(0.5,-5) AA13(1,-5) AA14(1.5,-5) AA15(2,-5) AA16(2.5,-5) AA17(3,-5) AA18(3.5,-5) AA19(4,-5) AA20(4.5,-5) AA21(5,-5) B1(-5,4.5) B2(-4.5,4.5) B3(-4,4.5) B4(-3.5,4.5) B5(-3,4.5) B6(-2.5,4.5) B7(-2,4.5) B8(-1.5,4.5) B9(-1,4.5) B10(-0.5,4.5) B11(0,4.5) B12(0.5,4.5) B13(1,4.5) B14(1.5,4.5) B15(2,4.5) B16(2.5,4.5) B17(3,4.5) B18(3.5,4.5) B19(4,4.5) B20(4.5,4.5) B21(5,4.5) C1(-5,4) C2(-4.5,4) C6(-2.5,4) C11(0,4) C16(2.5,4) C20(4.5,4) C21(5,4) D1(-5,3.5) D2(-4.5,3.5) D4(-3.5,3.5) D5(-3,3.5) D6(-2.5,3.5) D7(-2,3.5) D8(-1.5,3.5) D9(-1,3.5) D10(-0.5,3.5) D11(0,3.5) D12(0.5,3.5) D13(1,3.5) D14(1.5,3.5) D15(2,3.5) D16(2.5,3.5) D17(3,3.5) D18(3.5,3.5) D20(4.5,3.5) D21(5,3.5) E1(-5,3) E2(-4.5,3) E4(-3.5,3) E5(-3,3) E6(-2.5,3) E7(-2,3) E8(-1.5,3) E9(-1,3) E10(-0.5,3) E11(0,3) E12(0.5,3) E13(1,3) E14(1.5,3) E15(2,3) E16(2.5,3) E17(3,3) E18(3.5,3) E20(4.5,3) E21(5,3) F1(-5,2.5) F2(-4.5,2.5) F3(-4,2.5) F4(-3.5,2.5) F5(-3,2.5) F17(3,2.5) F18(3.5,2.5) F19(4,2.5) F20(4.5,2.5) F21(5,2.5) G1(-5,2) G2(-4.5,2) G4(-3.5,2) G5(-3,2) G7(-2,2) G8(-1.5,2) G9(-1,2) G10(-0.5,2) G11(0,2) G12(0.5,2) G13(1,2) G14(1.5,2) G15(2,2) G17(3,2) G18(3.5,2) G20(4.5,2) G21(5,2) H1(-5,1.5) H2(-4.5,1.5) H4(-3.5,1.5) H5(-3,1.5) H7(-2,1.5) H15(2,1.5) H17(3,1.5) H18(3.5,1.5) H20(4.5,1.5) H21(5,1.5) J1(-5,1) J2(-4.5,1) J4(-3.5,1) J5(-3,1) J7(-2,1) J9(-1,1) J10(-0.5,1) J11(0,1) J12(0.5,1) J13(1,1) J15(2,1) J17(3,1) J18(3.5,1) J20(4.5,1) J21(5,1) K1(-5,0.5) K2(-4.5,0.5) K4(-3.5,0.5) K5(-3,0.5) K7(-2,0.5) K9(-1,0.5) K10(-0.5,0.5) K11(0,0.5) K12(0.5,0.5) K13(1,0.5) K15(2,0.5) K17(3,0.5) K18(3.5,0.5) K20(4.5,0.5) K21(5,0.5) L1(-5,0) L2(-4.5,0) L3(-4,0) L4(-3.5,0) L5(-3,0) L7(-2,0) L9(-1,0) L10(-0.5,0) L11(0,0) L12(0.5,0) L13(1,0) L15(2,0) L17(3,0) L18(3.5,0) L19(4,0) L20(4.5,0) L21(5,0) M1(-5,-0.5) M2(-4.5,-0.5) M4(-3.5,-0.5) M5(-3,-0.5) M7(-2,-0.5) M9(-1,-0.5) M10(-0.5,-0.5) M11(0,-0.5) M12(0.5,-0.5) M13(1,-0.5) M15(2,-0.5) M17(3,-0.5) M18(3.5,-0.5) M20(4.5,-0.5) M21(5,-0.5) N1(-5,-1) N2(-4.5,-1) N4(-3.5,-1) N5(-3,-1) N7(-2,-1) N9(-1,-1) N10(-0.5,-1) N11(0,-1) N12(0.5,-1) N13(1,-1) N15(2,-1) N17(3,-1) N18(3.5,-1) N20(4.5,-1) N21(5,-1) P1(-5,-1.5) P2(-4.5,-1.5) P4(-3.5,-1.5) P5(-3,-1.5) P7(-2,-1.5) P15(2,-1.5) P17(3,-1.5) P18(3.5,-1.5) P20(4.5,-1.5) P21(5,-1.5) R1(-5,-2) R2(-4.5,-2) R4(-3.5,-2) R5(-3,-2) R7(-2,-2) R8(-1.5,-2) R9(-1,-2) R10(-0.5,-2) R11(0,-2) R12(0.5,-2) R13(1,-2) R14(1.5,-2) R15(2,-2) R17(3,-2) R18(3.5,-2) R20(4.5,-2) R21(5,-2) T1(-5,-2.5) T2(-4.5,-2.5) T3(-4,-2.5) T4(-3.5,-2.5) T5(-3,-2.5) T17(3,-2.5) T18(3.5,-2.5) T19(4,-2.5) T20(4.5,-2.5) T21(5,-2.5) U1(-5,-3) U2(-4.5,-3) U4(-3.5,-3) U5(-3,-3) U6(-2.5,-3) U7(-2,-3) U8(-1.5,-3) U9(-1,-3) U10(-0.5,-3) U11(0,-3) U12(0.5,-3) U13(1,-3) U14(1.5,-3) U15(2,-3) U16(2.5,-3) U17(3,-3) U18(3.5,-3) U20(4.5,-3) U21(5,-3) V1(-5,-3.5) V2(-4.5,-3.5) V4(-3.5,-3.5) V5(-3,-3.5) V6(-2.5,-3.5) V7(-2,-3.5) V8(-1.5,-3.5) V9(-1,-3.5) V10(-0.5,-3.5) V11(0,-3.5) V12(0.5,-3.5) V13(1,-3.5) V14(1.5,-3.5) V15(2,-3.5) V16(2.5,-3.5) V17(3,-3.5) V18(3.5,-3.5) V20(4.5,-3.5) V21(5,-3.5) W1(-5,-4) W2(-4.5,-4) W6(-2.5,-4) W11(0,-4) W16(2.5,-4) W20(4.5,-4) W21(5,-4) Y1(-5,-4.5) Y2(-4.5,-4.5) Y3(-4,-4.5) Y4(-3.5,-4.5) Y5(-3,-4.5) Y6(-2.5,-4.5) Y7(-2,-4.5) Y8(-1.5,-4.5) Y9(-1,-4.5) Y10(-0.5,-4.5) Y11(0,-4.5) Y12(0.5,-4.5) Y13(1,-4.5) Y14(1.5,-4.5) Y15(2,-4.5) Y16(2.5,-4.5) Y17(3,-4.5) Y18(3.5,-4.5) Y19(4,-4.5) Y20(4.5,-4.5) Y21(5,-4.5)
  silkscreen extent -5.75,-5.75 5.75,5.75, body extent -5.5,-5.5 5.5,5.5, height 1.45
NIC-CAPA2-8X10_V [mm] "Aluminum Electrolytic Capacitor, Diameter 8mm, Height 10.8mm, Pitch 6.5mm"
  rect 3.5x2.5 smd: 1(-3.25,0) 2(3.25,0)
  silkscreen extent -4.25,-4.25 4.25,4.25, body extent -3.99,-3.97 3.99,4, height 10.8
"PCBComponent_1 - duplicate" [mil]
  rect 28x91 smd: 1(0.67,-25.5)
  rect 62x193 smd: 2(115.67,25.5) 3(-115.67,25.5)
  body extent -148,-61 148,628, height 159
PCBComponent_1_2 [mm]
  rrect1% 0.72x0.3 smd: 1(-1.85,0.975) 2(-1.85,0.317) 3(-1.85,-0.342) 4(-1.85,-1) 9(1.875,-0.975) 10(1.875,-0.317) 11(1.875,0.342) 12(1.875,1)
  rrect1% 0.3x0.72 smd: 5(-0.975,-1.875) 6(-0.325,-1.875) 7(0.325,-1.875) 8(0.975,-1.875) 13(0.975,1.875) 14(0.325,1.875) 15(-0.325,1.875) 16(-0.975,1.875)
  rrect1% 2.15x2.15 smd: 17(0,0)
  body extent -2,-2 2,2, height 1
RESC1005X40N [mm]
  rrect1% 0.59x0.6 smd mask+0.05: 1(-0.407,0) 2(0.407,0)
  body extent -0.5,-0.25 0.5,0.25, height 0.4
RESC1005X40X25LL05T10 [mm] "Chip Resistor, 2-Leads, Body 1.00x0.50mm, IPC High Density"
  rect 0.5x0.45 smd: 1(-0.375,0) 2(0.375,0)
  body extent -0.53,-0.27 0.53,0.28, height 0.4
RESC1005X40X25ML10T10 [mm] "Chip Resistor, 2-Leads, Body 1.00x0.50mm, IPC Low Density"
  rect 0.75x0.7 smd: 1(-0.475,0) 2(0.475,0)
  body extent -0.55,-0.3 0.55,0.3, height 0.4
RESC1005X40X25NL05T10#1 [mm] "Chip Resistor, 2-Leads, Body 1.00x0.50mm, IPC Medium Density"
  rrect1% 0.59x0.6 smd mask+0.05: 1(-0.407,0) 2(0.407,0)
  body extent -0.5,-0.25 0.5,0.25, height 0.4
RESC1005X40X25NL05T10#2 [mm] "Chip Resistor, 2-Leads, Body 1.00x0.50mm, IPC Medium Density"
  rect 0.6x0.55 smd: 1(-0.425,0) 2(0.425,0)
  body extent -0.53,-0.27 0.53,0.28, height 0.4
RESC1608X55X25LL10T15 [mm] "Chip Resistor, 2-Leads, Body 1.60x0.80mm, IPC High Density"
  rect 0.6x0.8 smd: 1(-0.65,0) 2(0.65,0)
  body extent -0.85,-0.45 0.85,0.45, height 0.55
RESC1608X55X30LL15T15#1 [mm] "Chip Resistor, 2-Leads, Body 1.60x0.80mm, IPC High Density"
  rrect1% 0.65x0.9 smd: 1(-0.725,0) 2(0.725,0)
  silkscreen extent -0.08,-0.4 0.08,0.4, body extent -0.8,-0.4 0.8,0.4, height 0.45
RESC1608X55X30LL15T15#2 [mm] "Chip Resistor, 2-Leads, Body 1.60x0.80mm, IPC High Density"
  rect 0.7x0.85 smd: 1(-0.625,0) 2(0.625,0)
  body extent -0.87,-0.48 0.87,0.48, height 0.55
RESC1608X55X30ML20T20 [mm] "Chip Resistor, 2-Leads, Body 1.60x0.80mm, IPC Low Density"
  rrect1% 0.65x0.9 smd: 1(-0.725,0) 2(0.725,0)
  silkscreen extent -0.08,-0.4 0.08,0.4, body extent -0.8,-0.4 0.8,0.4, height 0.45
S80KS2564 [mil]
  round 18 smd paste+0 mask+0: A1(-118.11,118.11) A2(-78.74,118.11) A3(-39.37,118.11) A4(0,118.11) A5(39.37,118.11) A6(78.74,118.11) A7(118.11,118.11) B1(-118.11,78.74) B2(-78.74,78.74) B3(-39.37,78.74) B4(0,78.74) B5(39.37,78.74) B6(78.74,78.74) B7(118.11,78.74) C1(-118.11,39.37) C2(-78.74,39.37) C3(-39.37,39.37) C4(0,39.37) C5(39.37,39.37) C6(78.74,39.37) C7(118.11,39.37) D1(-118.11,0) D2(-78.74,0) D3(-39.37,0) D4(0,0) D5(39.37,0) D6(78.74,0) D7(118.11,0) E1(-118.11,-39.37) E2(-78.74,-39.37) E3(-39.37,-39.37) E4(0,-39.37) E5(39.37,-39.37) E6(78.74,-39.37) E7(118.11,-39.37) F1(-118.11,-78.74) F2(-78.74,-78.74) F3(-39.37,-78.74) F4(0,-78.74) F5(39.37,-78.74) F6(78.74,-78.74) F7(118.11,-78.74) G1(-118.11,-118.11) G2(-78.74,-118.11) G3(-39.37,-118.11) G4(0,-118.11) G5(39.37,-118.11) G6(78.74,-118.11) G7(118.11,-118.11)
  silkscreen extent -167,-167 167,168, body extent -157,-157 157,157, height 39
SM10B-XSRS-ETB [mm]
  rrect1% 0.4x0.6 smd mask+0.05: 1(-2.7,0.75) 2(-2.1,0.75) 3(-1.5,0.75) 4(-0.9,0.75) 5(-0.3,0.75) 6(0.3,0.75) 7(0.9,0.75) 8(1.5,0.75) 9(2.1,0.75) 10(2.7,0.75)
  rrect1% 0.7x1.05 smd: S1(-3.65,-0.625) S2(3.65,-0.625)
  silkscreen extent -3.9,-1 3.9,1.7, body extent -3.9,-1 3.9,1, height 1.45
SM22B-XSRS-ETB [mm]
  rect 0.4x0.6 smd: 1(-6.3,0.75) 2(-5.7,0.75) 3(-5.1,0.75) 4(-4.5,0.75) 5(-3.9,0.75) 6(-3.3,0.75) 7(-2.7,0.75) 8(-2.1,0.75) 9(-1.5,0.75) 10(-0.9,0.75) 11(-0.3,0.75) 12(0.3,0.75) 13(0.9,0.75) 14(1.5,0.75) 15(2.1,0.75) 16(2.7,0.75) 17(3.3,0.75) 18(3.9,0.75) 19(4.5,0.75) 20(5.1,0.75) 21(5.7,0.75) 22(6.3,0.75)
  rect 0.7x1.05 smd: MP1(-7.25,-0.625) MP2(7.25,-0.625)
  silkscreen extent -7.5,-1 7.5,1.65, body extent -7.53,-1.08 7.53,1.01, height 1.55
SMD-0603 [mm] "Chip Inductor, 2-Leads, Body 1.6x0.8mm"
  rrect1% 1.05x1.08 smd: 1(-0.875,0) 2(0.875,0)
  body extent -0.9,-0.5 0.9,0.5, height 0.99
SST25PF040CT-40I/NP [mm]
  rrect25% 0.84x0.26 smd: 1(-1.445,0.75) 2(-1.445,0.25) 3(-1.445,-0.25) 4(-1.445,-0.75) 5(1.445,-0.75) 6(1.445,-0.25) 7(1.445,0.25) 8(1.445,0.75)
  rect 1.3x1.5 smd paste-0.24: 9(0,0)
  silkscreen extent -2.58,-1.2 1.55,1.2, body extent -1.5,-1 1.5,1, height 0.6
TSW-105-08-G-D [mm]
  rect 1.37x1.37 hole 1.02: 1(0,0)
  round 1.37 hole 1.02: 2(0,2.54) 3(2.54,0) 4(2.54,2.54) 5(5.08,0) 6(5.08,2.54) 7(7.62,0) 8(7.62,2.54) 9(10.16,0) 10(10.16,2.54)
  silkscreen extent -2.02,-1.27 11.43,3.81, body extent -1.27,-1.27 11.43,3.81, height 8.38
WE-TPC-3816-S [mm] "SMD Inductor, 2-Leads, Body 3.8 x 3.8 mm"
  rrect1% 1.6x4.3 smd: 1(-1.35,0) 2(1.35,0)
  body extent -1.9,-1.9 1.9,1.9, height 1.64